# KiCad board ShinyAddOn_panel_2.kicad_pcb (continued)
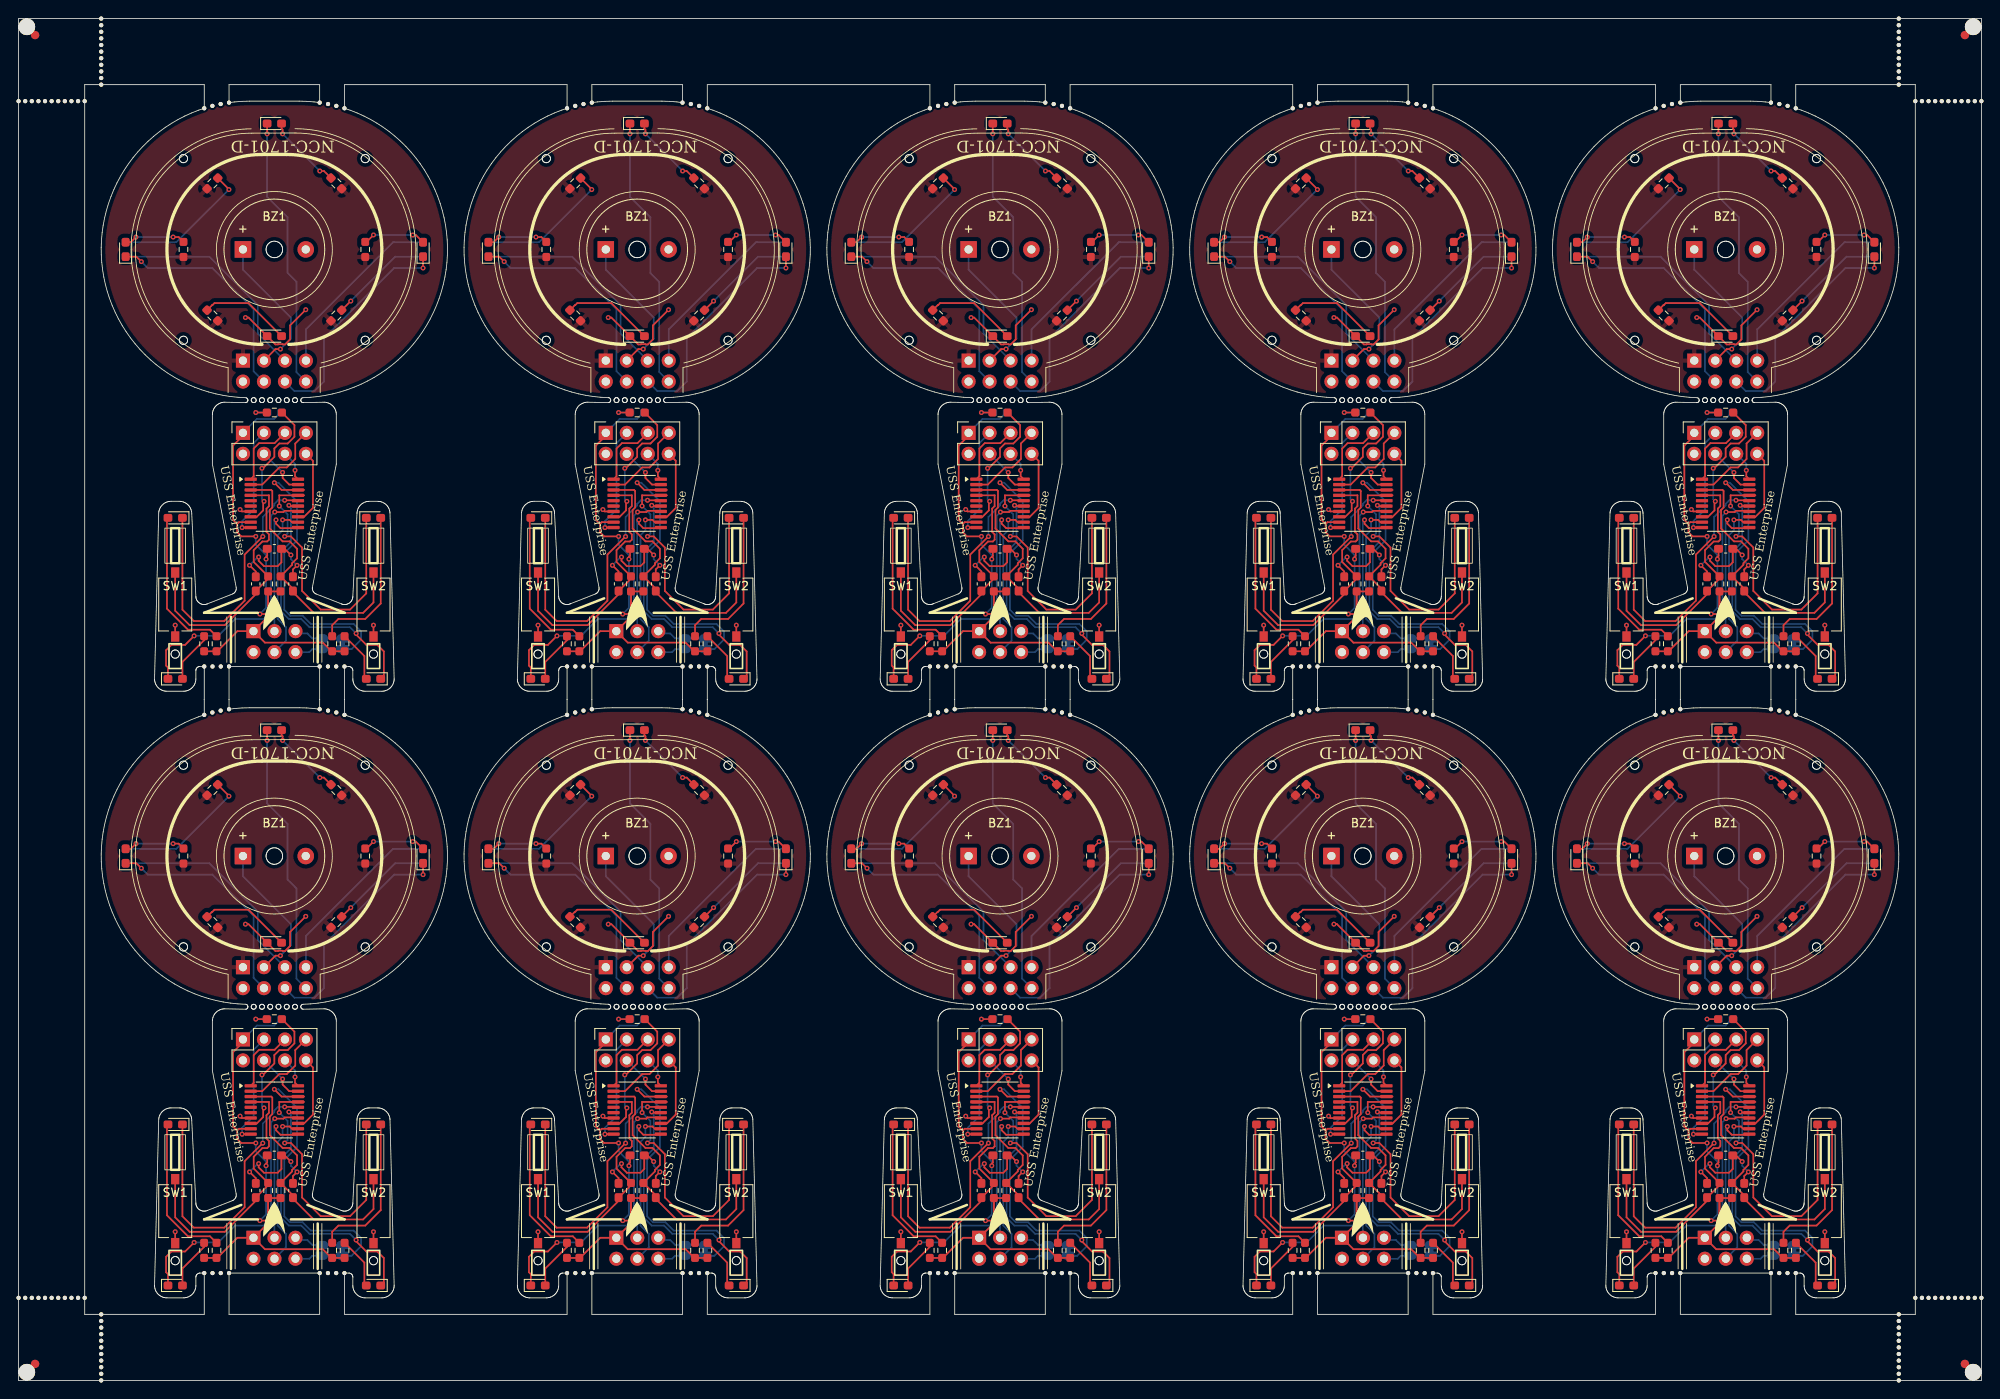
[diagram p0: board, top side]
## Placement (name value [footprint] x y rotation side) (continued)
KiKit_MB_10_4  -  [NPTH]  127.27 154.05 0 top
KiKit_MB_11_1  -  [NPTH]  113.3 86.46 0 top
KiKit_MB_11_2  -  [NPTH]  112.3 86.46 0 top
KiKit_MB_11_3  -  [NPTH]  111.3 86.46 0 top
KiKit_MB_11_4  -  [NPTH]  110.3 86.46 0 top
KiKit_MB_12_1  -  [NPTH]  127.27 86.46 0 top
KiKit_MB_12_2  -  [NPTH]  126.27 86.46 0 top
KiKit_MB_12_3  -  [NPTH]  125.27 86.46 0 top
KiKit_MB_12_4  -  [NPTH]  124.27 86.46 0 top
KiKit_MB_13_1  -  [NPTH]  154.21 154.05 0 top
KiKit_MB_13_2  -  [NPTH]  155.2 154.34 0 top
KiKit_MB_13_3  -  [NPTH]  156.2 154.57 0 top
KiKit_MB_13_4  -  [NPTH]  157.21 154.74 0 top
KiKit_MB_14_1  -  [NPTH]  168.18 154.74 0 top
KiKit_MB_14_2  -  [NPTH]  169.19 154.57 0 top
KiKit_MB_14_3  -  [NPTH]  170.2 154.34 0 top
KiKit_MB_14_4  -  [NPTH]  171.18 154.05 0 top
KiKit_MB_15_1  -  [NPTH]  157.21 86.46 0 top
KiKit_MB_15_2  -  [NPTH]  156.21 86.46 0 top
KiKit_MB_15_3  -  [NPTH]  155.21 86.46 0 top
KiKit_MB_15_4  -  [NPTH]  154.21 86.46 0 top
KiKit_MB_16_1  -  [NPTH]  171.18 86.46 0 top
KiKit_MB_16_2  -  [NPTH]  170.18 86.46 0 top
KiKit_MB_16_3  -  [NPTH]  169.18 86.46 0 top
KiKit_MB_16_4  -  [NPTH]  168.18 86.46 0 top
KiKit_MB_17_1  -  [NPTH]  198.13 154.05 0 top
KiKit_MB_17_2  -  [NPTH]  199.11 154.34 0 top
KiKit_MB_17_3  -  [NPTH]  200.11 154.57 0 top
KiKit_MB_17_4  -  [NPTH]  201.13 154.74 0 top
KiKit_MB_18_1  -  [NPTH]  212.1 154.74 0 top
KiKit_MB_18_2  -  [NPTH]  213.11 154.57 0 top
KiKit_MB_18_3  -  [NPTH]  214.11 154.34 0 top
KiKit_MB_18_4  -  [NPTH]  215.1 154.05 0 top
KiKit_MB_19_1  -  [NPTH]  201.13 86.46 0 top
KiKit_MB_19_2  -  [NPTH]  200.13 86.46 0 top
KiKit_MB_19_3  -  [NPTH]  199.13 86.46 0 top
KiKit_MB_19_4  -  [NPTH]  198.13 86.46 0 top
KiKit_MB_20_1  -  [NPTH]  215.1 86.46 0 top
KiKit_MB_20_2  -  [NPTH]  214.1 86.46 0 top
KiKit_MB_20_3  -  [NPTH]  213.1 86.46 0 top
KiKit_MB_20_4  -  [NPTH]  212.1 86.46 0 top
KiKit_MB_21_1  -  [NPTH]  22.47 80.6 0 top
KiKit_MB_21_2  -  [NPTH]  23.46 80.88 0 top
KiKit_MB_21_3  -  [NPTH]  24.46 81.11 0 top
KiKit_MB_21_4  -  [NPTH]  25.47 81.28 0 top
KiKit_MB_22_1  -  [NPTH]  36.44 81.28 0 top
KiKit_MB_22_2  -  [NPTH]  37.45 81.11 0 top
KiKit_MB_22_3  -  [NPTH]  38.45 80.88 0 top
KiKit_MB_22_4  -  [NPTH]  39.44 80.6 0 top
KiKit_MB_23_1  -  [NPTH]  25.47 13 0 top
KiKit_MB_23_2  -  [NPTH]  24.47 13 0 top
KiKit_MB_23_3  -  [NPTH]  23.47 13 0 top
KiKit_MB_23_4  -  [NPTH]  22.47 13 0 top
KiKit_MB_24_1  -  [NPTH]  39.44 13 0 top
KiKit_MB_24_2  -  [NPTH]  38.44 13 0 top
KiKit_MB_24_3  -  [NPTH]  37.44 13 0 top
KiKit_MB_24_4  -  [NPTH]  36.44 13 0 top
KiKit_MB_25_1  -  [NPTH]  66.38 80.6 0 top
KiKit_MB_25_2  -  [NPTH]  67.37 80.88 0 top
KiKit_MB_25_3  -  [NPTH]  68.37 81.11 0 top
KiKit_MB_25_4  -  [NPTH]  69.38 81.28 0 top
KiKit_MB_26_1  -  [NPTH]  80.35 81.28 0 top
KiKit_MB_26_2  -  [NPTH]  81.37 81.11 0 top
KiKit_MB_26_3  -  [NPTH]  82.37 80.88 0 top
KiKit_MB_26_4  -  [NPTH]  83.35 80.6 0 top
KiKit_MB_27_1  -  [NPTH]  69.38 13 0 top
KiKit_MB_27_2  -  [NPTH]  68.38 13 0 top
KiKit_MB_27_3  -  [NPTH]  67.38 13 0 top
KiKit_MB_27_4  -  [NPTH]  66.38 13 0 top
KiKit_MB_28_1  -  [NPTH]  83.35 13 0 top
KiKit_MB_28_2  -  [NPTH]  82.35 13 0 top
KiKit_MB_28_3  -  [NPTH]  81.35 13 0 top
KiKit_MB_28_4  -  [NPTH]  80.35 13 0 top
KiKit_MB_29_1  -  [NPTH]  110.3 80.6 0 top
KiKit_MB_29_2  -  [NPTH]  111.28 80.88 0 top
KiKit_MB_29_3  -  [NPTH]  112.29 81.11 0 top
KiKit_MB_29_4  -  [NPTH]  113.3 81.28 0 top
KiKit_MB_30_1  -  [NPTH]  124.27 81.28 0 top
KiKit_MB_30_2  -  [NPTH]  125.28 81.11 0 top
KiKit_MB_30_3  -  [NPTH]  126.28 80.88 0 top
KiKit_MB_30_4  -  [NPTH]  127.27 80.6 0 top
KiKit_MB_31_1  -  [NPTH]  113.3 13 0 top
KiKit_MB_31_2  -  [NPTH]  112.3 13 0 top
KiKit_MB_31_3  -  [NPTH]  111.3 13 0 top
KiKit_MB_31_4  -  [NPTH]  110.3 13 0 top
KiKit_MB_32_1  -  [NPTH]  127.27 13 0 top
KiKit_MB_32_2  -  [NPTH]  126.27 13 0 top
KiKit_MB_32_3  -  [NPTH]  125.27 13 0 top
KiKit_MB_32_4  -  [NPTH]  124.27 13 0 top
KiKit_MB_33_1  -  [NPTH]  154.21 80.6 0 top
KiKit_MB_33_2  -  [NPTH]  155.2 80.88 0 top
KiKit_MB_33_3  -  [NPTH]  156.2 81.11 0 top
KiKit_MB_33_4  -  [NPTH]  157.21 81.28 0 top
KiKit_MB_34_1  -  [NPTH]  168.18 81.28 0 top
KiKit_MB_34_2  -  [NPTH]  169.19 81.11 0 top
KiKit_MB_34_3  -  [NPTH]  170.2 80.88 0 top
KiKit_MB_34_4  -  [NPTH]  171.18 80.6 0 top
KiKit_MB_35_1  -  [NPTH]  157.21 13 0 top
KiKit_MB_35_2  -  [NPTH]  156.21 13 0 top
KiKit_MB_35_3  -  [NPTH]  155.21 13 0 top
KiKit_MB_35_4  -  [NPTH]  154.21 13 0 top
KiKit_MB_36_1  -  [NPTH]  171.18 13 0 top
KiKit_MB_36_2  -  [NPTH]  170.18 13 0 top
KiKit_MB_36_3  -  [NPTH]  169.18 13 0 top
KiKit_MB_36_4  -  [NPTH]  168.18 13 0 top
KiKit_MB_37_1  -  [NPTH]  198.13 80.6 0 top
KiKit_MB_37_2  -  [NPTH]  199.11 80.88 0 top
KiKit_MB_37_3  -  [NPTH]  200.11 81.11 0 top
KiKit_MB_37_4  -  [NPTH]  201.13 81.28 0 top
KiKit_MB_38_1  -  [NPTH]  212.1 81.28 0 top
KiKit_MB_38_2  -  [NPTH]  213.11 81.11 0 top
KiKit_MB_38_3  -  [NPTH]  214.11 80.88 0 top
KiKit_MB_38_4  -  [NPTH]  215.1 80.6 0 top
KiKit_MB_39_1  -  [NPTH]  201.13 13 0 top
KiKit_MB_39_2  -  [NPTH]  200.13 13 0 top
KiKit_MB_39_3  -  [NPTH]  199.13 13 0 top
KiKit_MB_39_4  -  [NPTH]  198.13 13 0 top
KiKit_MB_40_1  -  [NPTH]  215.1 13 0 top
KiKit_MB_40_2  -  [NPTH]  214.1 13 0 top
KiKit_MB_40_3  -  [NPTH]  213.1 13 0 top
KiKit_MB_40_4  -  [NPTH]  212.1 13 0 top
KiKit_MB_41_1  -  [NPTH]  10 164.91 0 top
KiKit_MB_41_2  -  [NPTH]  10 164.11 0 top
KiKit_MB_41_3  -  [NPTH]  10 163.31 0 top
KiKit_MB_41_4  -  [NPTH]  10 162.51 0 top
KiKit_MB_41_5  -  [NPTH]  10 161.71 0 top
KiKit_MB_41_6  -  [NPTH]  10 160.91 0 top
KiKit_MB_41_7  -  [NPTH]  10 160.11 0 top
KiKit_MB_41_8  -  [NPTH]  10 159.31 0 top
KiKit_MB_41_9  -  [NPTH]  10 158.51 0 top
KiKit_MB_41_10  -  [NPTH]  10 157.71 0 top
KiKit_MB_41_11  -  [NPTH]  10 156.91 0 top
KiKit_MB_42_1  -  [NPTH]  227.57 164.91 0 top
KiKit_MB_42_2  -  [NPTH]  227.57 164.11 0 top
KiKit_MB_42_3  -  [NPTH]  227.57 163.31 0 top
KiKit_MB_42_4  -  [NPTH]  227.57 162.51 0 top
KiKit_MB_42_5  -  [NPTH]  227.57 161.71 0 top
KiKit_MB_42_6  -  [NPTH]  227.57 160.91 0 top
KiKit_MB_42_7  -  [NPTH]  227.57 160.11 0 top
KiKit_MB_42_8  -  [NPTH]  227.57 159.31 0 top
KiKit_MB_42_9  -  [NPTH]  227.57 158.51 0 top
KiKit_MB_42_10  -  [NPTH]  227.57 157.71 0 top
KiKit_MB_42_11  -  [NPTH]  227.57 156.91 0 top
KiKit_MB_43_1  -  [NPTH]  10 8 0 top
KiKit_MB_43_2  -  [NPTH]  10 7.2 0 top
KiKit_MB_43_3  -  [NPTH]  10 6.4 0 top
KiKit_MB_43_4  -  [NPTH]  10 5.6 0 top
KiKit_MB_43_5  -  [NPTH]  10 4.8 0 top
KiKit_MB_43_6  -  [NPTH]  10 4 0 top
KiKit_MB_43_7  -  [NPTH]  10 3.2 0 top
KiKit_MB_43_8  -  [NPTH]  10 2.4 0 top
KiKit_MB_43_9  -  [NPTH]  10 1.6 0 top
KiKit_MB_43_10  -  [NPTH]  10 0.8 0 top
KiKit_MB_43_11  -  [NPTH]  10 0 0 top
KiKit_MB_44_1  -  [NPTH]  227.57 8 0 top
KiKit_MB_44_2  -  [NPTH]  227.57 7.2 0 top
KiKit_MB_44_3  -  [NPTH]  227.57 6.4 0 top
KiKit_MB_44_4  -  [NPTH]  227.57 5.6 0 top
KiKit_MB_44_5  -  [NPTH]  227.57 4.8 0 top
KiKit_MB_44_6  -  [NPTH]  227.57 4 0 top
KiKit_MB_44_7  -  [NPTH]  227.57 3.2 0 top
KiKit_MB_44_8  -  [NPTH]  227.57 2.4 0 top
KiKit_MB_44_9  -  [NPTH]  227.57 1.6 0 top
KiKit_MB_44_10  -  [NPTH]  227.57 0.8 0 top
KiKit_MB_44_11  -  [NPTH]  227.57 0 0 top
KiKit_MB_45_1  -  [NPTH]  0 154.91 0 top
KiKit_MB_45_2  -  [NPTH]  0.8 154.91 0 top
KiKit_MB_45_3  -  [NPTH]  1.6 154.91 0 top
KiKit_MB_45_4  -  [NPTH]  2.4 154.91 0 top
KiKit_MB_45_5  -  [NPTH]  3.2 154.91 0 top
KiKit_MB_45_6  -  [NPTH]  4 154.91 0 top
KiKit_MB_45_7  -  [NPTH]  4.8 154.91 0 top
KiKit_MB_45_8  -  [NPTH]  5.6 154.91 0 top
KiKit_MB_45_9  -  [NPTH]  6.4 154.91 0 top
KiKit_MB_45_10  -  [NPTH]  7.2 154.91 0 top
KiKit_MB_45_11  -  [NPTH]  8 154.91 0 top
KiKit_MB_46_1  -  [NPTH]  0 10 0 top
KiKit_MB_46_2  -  [NPTH]  0.8 10 0 top
KiKit_MB_46_3  -  [NPTH]  1.6 10 0 top
KiKit_MB_46_4  -  [NPTH]  2.4 10 0 top
KiKit_MB_46_5  -  [NPTH]  3.2 10 0 top
KiKit_MB_46_6  -  [NPTH]  4 10 0 top
KiKit_MB_46_7  -  [NPTH]  4.8 10 0 top
KiKit_MB_46_8  -  [NPTH]  5.6 10 0 top
KiKit_MB_46_9  -  [NPTH]  6.4 10 0 top
KiKit_MB_46_10  -  [NPTH]  7.2 10 0 top
KiKit_MB_46_11  -  [NPTH]  8 10 0 top
KiKit_MB_47_1  -  [NPTH]  229.57 154.91 0 top
KiKit_MB_47_2  -  [NPTH]  230.37 154.91 0 top
KiKit_MB_47_3  -  [NPTH]  231.17 154.91 0 top
KiKit_MB_47_4  -  [NPTH]  231.97 154.91 0 top
KiKit_MB_47_5  -  [NPTH]  232.77 154.91 0 top
KiKit_MB_47_6  -  [NPTH]  233.57 154.91 0 top
KiKit_MB_47_7  -  [NPTH]  234.37 154.91 0 top
KiKit_MB_47_8  -  [NPTH]  235.17 154.91 0 top
KiKit_MB_47_9  -  [NPTH]  235.97 154.91 0 top
KiKit_MB_47_10  -  [NPTH]  236.77 154.91 0 top
KiKit_MB_47_11  -  [NPTH]  237.57 154.91 0 top
KiKit_MB_48_1  -  [NPTH]  229.57 10 0 top
KiKit_MB_48_2  -  [NPTH]  230.37 10 0 top
KiKit_MB_48_3  -  [NPTH]  231.17 10 0 top
KiKit_MB_48_4  -  [NPTH]  231.97 10 0 top
KiKit_MB_48_5  -  [NPTH]  232.77 10 0 top
KiKit_MB_48_6  -  [NPTH]  233.57 10 0 top
KiKit_MB_48_7  -  [NPTH]  234.37 10 0 top
KiKit_MB_48_8  -  [NPTH]  235.17 10 0 top
KiKit_MB_48_9  -  [NPTH]  235.97 10 0 top
KiKit_MB_48_10  -  [NPTH]  236.77 10 0 top
KiKit_MB_48_11  -  [NPTH]  237.57 10 0 top
KiKit_TO_1  -  [NPTH#2]  1 163.91 0 top
KiKit_TO_2  -  [NPTH#2]  236.57 163.91 0 top
KiKit_TO_3  -  [NPTH#2]  1 1 0 top
KiKit_TO_4  -  [NPTH#2]  236.57 1 0 top
R1  330  [R_0603_1608Metric_Pad0.98x0.95mm_HandSolder]  111.28 128.96 135 top
R1#2  330  [R_0603_1608Metric_Pad0.98x0.95mm_HandSolder]  67.37 55.5 135 top
R1#3  330  [R_0603_1608Metric_Pad0.98x0.95mm_HandSolder]  111.28 55.5 135 top
R1#4  330  [R_0603_1608Metric_Pad0.98x0.95mm_HandSolder]  199.11 128.96 135 top
R1#5  330  [R_0603_1608Metric_Pad0.98x0.95mm_HandSolder]  23.46 128.96 135 top
R1#6  330  [R_0603_1608Metric_Pad0.98x0.95mm_HandSolder]  155.2 128.96 135 top
R1#7  330  [R_0603_1608Metric_Pad0.98x0.95mm_HandSolder]  67.37 128.96 135 top
R1#8  330  [R_0603_1608Metric_Pad0.98x0.95mm_HandSolder]  23.46 55.5 135 top
R1#9  330  [R_0603_1608Metric_Pad0.98x0.95mm_HandSolder]  155.2 55.5 135 top
R1#10  330  [R_0603_1608Metric_Pad0.98x0.95mm_HandSolder]  199.11 55.5 135 top
R2  330  [R_0603_1608Metric_Pad0.98x0.95mm_HandSolder]  74.87 43.75 0 top
R2#2  330  [R_0603_1608Metric_Pad0.98x0.95mm_HandSolder]  206.61 43.75 0 top
R2#3  330  [R_0603_1608Metric_Pad0.98x0.95mm_HandSolder]  30.96 43.75 0 top
R2#4  330  [R_0603_1608Metric_Pad0.98x0.95mm_HandSolder]  206.61 117.21 0 top
R2#5  330  [R_0603_1608Metric_Pad0.98x0.95mm_HandSolder]  118.78 43.75 0 top
R2#6  330  [R_0603_1608Metric_Pad0.98x0.95mm_HandSolder]  162.7 43.75 0 top
R2#7  330  [R_0603_1608Metric_Pad0.98x0.95mm_HandSolder]  118.78 117.21 0 top
R2#8  330  [R_0603_1608Metric_Pad0.98x0.95mm_HandSolder]  74.87 117.21 0 top
R2#9  330  [R_0603_1608Metric_Pad0.98x0.95mm_HandSolder]  30.96 117.21 0 top
R2#10  330  [R_0603_1608Metric_Pad0.98x0.95mm_HandSolder]  162.7 117.21 0 top
R3  330  [R_0603_1608Metric_Pad0.98x0.95mm_HandSolder]  39.46 15.75 90 top
R3#2  330  [R_0603_1608Metric_Pad0.98x0.95mm_HandSolder]  83.37 89.21 90 top
R3#3  330  [R_0603_1608Metric_Pad0.98x0.95mm_HandSolder]  127.28 15.75 90 top
R3#4  330  [R_0603_1608Metric_Pad0.98x0.95mm_HandSolder]  83.37 15.75 90 top
R3#5  330  [R_0603_1608Metric_Pad0.98x0.95mm_HandSolder]  127.28 89.21 90 top
R3#6  330  [R_0603_1608Metric_Pad0.98x0.95mm_HandSolder]  39.46 89.21 90 top
R3#7  330  [R_0603_1608Metric_Pad0.98x0.95mm_HandSolder]  215.11 89.21 90 top
R3#8  330  [R_0603_1608Metric_Pad0.98x0.95mm_HandSolder]  171.2 89.21 90 top
R3#9  330  [R_0603_1608Metric_Pad0.98x0.95mm_HandSolder]  171.2 15.75 90 top
R3#10  330  [R_0603_1608Metric_Pad0.98x0.95mm_HandSolder]  215.11 15.75 90 top
R4  330  [R_0603_1608Metric_Pad0.98x0.95mm_HandSolder]  198.11 15.75 90 top
R4#2  330  [R_0603_1608Metric_Pad0.98x0.95mm_HandSolder]  66.37 89.21 90 top
R4#3  330  [R_0603_1608Metric_Pad0.98x0.95mm_HandSolder]  110.28 15.75 90 top
R4#4  330  [R_0603_1608Metric_Pad0.98x0.95mm_HandSolder]  198.11 89.21 90 top
R4#5  330  [R_0603_1608Metric_Pad0.98x0.95mm_HandSolder]  22.46 15.75 90 top
R4#6  330  [R_0603_1608Metric_Pad0.98x0.95mm_HandSolder]  110.28 89.21 90 top
R4#7  330  [R_0603_1608Metric_Pad0.98x0.95mm_HandSolder]  154.2 15.75 90 top
R4#8  330  [R_0603_1608Metric_Pad0.98x0.95mm_HandSolder]  154.2 89.21 90 top
R4#9  330  [R_0603_1608Metric_Pad0.98x0.95mm_HandSolder]  22.46 89.21 90 top
R4#10  330  [R_0603_1608Metric_Pad0.98x0.95mm_HandSolder]  66.37 15.75 90 top
R5  330  [R_0603_1608Metric_Pad0.98x0.95mm_HandSolder]  82.37 71.5 135 top
R5#2  330  [R_0603_1608Metric_Pad0.98x0.95mm_HandSolder]  170.2 144.96 135 top
R5#3  330  [R_0603_1608Metric_Pad0.98x0.95mm_HandSolder]  38.46 71.5 135 top
R5#4  330  [R_0603_1608Metric_Pad0.98x0.95mm_HandSolder]  214.11 144.96 135 top
R5#5  330  [R_0603_1608Metric_Pad0.98x0.95mm_HandSolder]  214.11 71.5 135 top
R5#6  330  [R_0603_1608Metric_Pad0.98x0.95mm_HandSolder]  126.28 144.96 135 top
R5#7  330  [R_0603_1608Metric_Pad0.98x0.95mm_HandSolder]  38.46 144.96 135 top
R5#8  330  [R_0603_1608Metric_Pad0.98x0.95mm_HandSolder]  170.2 71.5 135 top
R5#9  330  [R_0603_1608Metric_Pad0.98x0.95mm_HandSolder]  126.28 71.5 135 top
R5#10  330  [R_0603_1608Metric_Pad0.98x0.95mm_HandSolder]  82.37 144.96 135 top
R6  330  [R_0603_1608Metric_Pad0.98x0.95mm_HandSolder]  67.87 15.75 90 top
R6#2  330  [R_0603_1608Metric_Pad0.98x0.95mm_HandSolder]  155.7 15.75 90 top
R6#3  330  [R_0603_1608Metric_Pad0.98x0.95mm_HandSolder]  199.61 15.75 90 top
R6#4  330  [R_0603_1608Metric_Pad0.98x0.95mm_HandSolder]  155.7 89.21 90 top
R6#5  330  [R_0603_1608Metric_Pad0.98x0.95mm_HandSolder]  67.87 89.21 90 top
R6#6  330  [R_0603_1608Metric_Pad0.98x0.95mm_HandSolder]  23.96 15.75 90 top
R6#7  330  [R_0603_1608Metric_Pad0.98x0.95mm_HandSolder]  111.78 15.75 90 top
R6#8  330  [R_0603_1608Metric_Pad0.98x0.95mm_HandSolder]  199.61 89.21 90 top
R6#9  330  [R_0603_1608Metric_Pad0.98x0.95mm_HandSolder]  111.78 89.21 90 top
R6#10  330  [R_0603_1608Metric_Pad0.98x0.95mm_HandSolder]  23.96 89.21 90 top
R7  330  [R_0603_1608Metric_Pad0.98x0.95mm_HandSolder]  37.96 89.21 90 top
R7#2  330  [R_0603_1608Metric_Pad0.98x0.95mm_HandSolder]  125.78 15.75 90 top
R7#3  330  [R_0603_1608Metric_Pad0.98x0.95mm_HandSolder]  169.7 89.21 90 top
R7#4  330  [R_0603_1608Metric_Pad0.98x0.95mm_HandSolder]  169.7 15.75 90 top
R7#5  330  [R_0603_1608Metric_Pad0.98x0.95mm_HandSolder]  213.61 15.75 90 top
R7#6  330  [R_0603_1608Metric_Pad0.98x0.95mm_HandSolder]  81.87 15.75 90 top
R7#7  330  [R_0603_1608Metric_Pad0.98x0.95mm_HandSolder]  81.87 89.21 90 top
R7#8  330  [R_0603_1608Metric_Pad0.98x0.95mm_HandSolder]  125.78 89.21 90 top
R7#9  330  [R_0603_1608Metric_Pad0.98x0.95mm_HandSolder]  37.96 15.75 90 top
R7#10  330  [R_0603_1608Metric_Pad0.98x0.95mm_HandSolder]  213.61 89.21 90 top
R8  10k  [R_0603_1608Metric_Pad0.98x0.95mm_HandSolder]  75.62 23 90 top
R8#2  10k  [R_0603_1608Metric_Pad0.98x0.95mm_HandSolder]  31.71 23 90 top
R8#3  10k  [R_0603_1608Metric_Pad0.98x0.95mm_HandSolder]  75.62 96.46 90 top
R8#4  10k  [R_0603_1608Metric_Pad0.98x0.95mm_HandSolder]  207.36 96.46 90 top
R8#5  10k  [R_0603_1608Metric_Pad0.98x0.95mm_HandSolder]  119.53 23 90 top
R8#6  10k  [R_0603_1608Metric_Pad0.98x0.95mm_HandSolder]  31.71 96.46 90 top
R8#7  10k  [R_0603_1608Metric_Pad0.98x0.95mm_HandSolder]  207.36 23 90 top
R8#8  10k  [R_0603_1608Metric_Pad0.98x0.95mm_HandSolder]  119.53 96.46 90 top
R8#9  10k  [R_0603_1608Metric_Pad0.98x0.95mm_HandSolder]  163.45 96.46 90 top
R8#10  10k  [R_0603_1608Metric_Pad0.98x0.95mm_HandSolder]  163.45 23 90 top
R9  10k  [R_0603_1608Metric_Pad0.98x0.95mm_HandSolder]  118.03 96.46 90 top
R9#2  10k  [R_0603_1608Metric_Pad0.98x0.95mm_HandSolder]  74.12 23 90 top
R9#3  10k  [R_0603_1608Metric_Pad0.98x0.95mm_HandSolder]  161.95 23 90 top
R9#4  10k  [R_0603_1608Metric_Pad0.98x0.95mm_HandSolder]  118.03 23 90 top
R9#5  10k  [R_0603_1608Metric_Pad0.98x0.95mm_HandSolder]  161.95 96.46 90 top
R9#6  10k  [R_0603_1608Metric_Pad0.98x0.95mm_HandSolder]  30.21 23 90 top
R9#7  10k  [R_0603_1608Metric_Pad0.98x0.95mm_HandSolder]  205.86 96.46 90 top
R9#8  10k  [R_0603_1608Metric_Pad0.98x0.95mm_HandSolder]  74.12 96.46 90 top
R9#9  10k  [R_0603_1608Metric_Pad0.98x0.95mm_HandSolder]  205.86 23 90 top
R9#10  10k  [R_0603_1608Metric_Pad0.98x0.95mm_HandSolder]  30.21 96.46 90 top
R10  330  [R_0603_1608Metric_Pad0.98x0.95mm_HandSolder]  151.7 63.5 90 top
R10#2  330  [R_0603_1608Metric_Pad0.98x0.95mm_HandSolder]  195.61 63.5 90 top
R10#3  330  [R_0603_1608Metric_Pad0.98x0.95mm_HandSolder]  19.96 136.96 90 top
R10#4  330  [R_0603_1608Metric_Pad0.98x0.95mm_HandSolder]  107.78 63.5 90 top
R10#5  330  [R_0603_1608Metric_Pad0.98x0.95mm_HandSolder]  63.87 136.96 90 top
R10#6  330  [R_0603_1608Metric_Pad0.98x0.95mm_HandSolder]  195.61 136.96 90 top
R10#7  330  [R_0603_1608Metric_Pad0.98x0.95mm_HandSolder]  107.78 136.96 90 top
R10#8  330  [R_0603_1608Metric_Pad0.98x0.95mm_HandSolder]  151.7 136.96 90 top
R10#9  330  [R_0603_1608Metric_Pad0.98x0.95mm_HandSolder]  19.96 63.5 90 top
R10#10  330  [R_0603_1608Metric_Pad0.98x0.95mm_HandSolder]  63.87 63.5 90 top
R11  330  [R_0603_1608Metric_Pad0.98x0.95mm_HandSolder]  85.87 63.5 90 top
R11#2  330  [R_0603_1608Metric_Pad0.98x0.95mm_HandSolder]  217.61 136.96 90 top
R11#3  330  [R_0603_1608Metric_Pad0.98x0.95mm_HandSolder]  217.61 63.5 90 top
R11#4  330  [R_0603_1608Metric_Pad0.98x0.95mm_HandSolder]  41.96 63.5 90 top
R11#5  330  [R_0603_1608Metric_Pad0.98x0.95mm_HandSolder]  173.7 63.5 90 top
R11#6  330  [R_0603_1608Metric_Pad0.98x0.95mm_HandSolder]  85.87 136.96 90 top
R11#7  330  [R_0603_1608Metric_Pad0.98x0.95mm_HandSolder]  173.7 136.96 90 top
R11#8  330  [R_0603_1608Metric_Pad0.98x0.95mm_HandSolder]  129.78 63.5 90 top
R11#9  330  [R_0603_1608Metric_Pad0.98x0.95mm_HandSolder]  41.96 136.96 90 top
R11#10  330  [R_0603_1608Metric_Pad0.98x0.95mm_HandSolder]  129.78 136.96 90 top
R12  330  [R_0603_1608Metric_Pad0.98x0.95mm_HandSolder]  111.28 144.96 45 top
R12#2  330  [R_0603_1608Metric_Pad0.98x0.95mm_HandSolder]  23.46 71.5 45 top
R12#3  330  [R_0603_1608Metric_Pad0.98x0.95mm_HandSolder]  199.11 144.96 45 top
R12#4  330  [R_0603_1608Metric_Pad0.98x0.95mm_HandSolder]  67.37 71.5 45 top
R12#5  330  [R_0603_1608Metric_Pad0.98x0.95mm_HandSolder]  67.37 144.96 45 top
R12#6  330  [R_0603_1608Metric_Pad0.98x0.95mm_HandSolder]  199.11 71.5 45 top
R12#7  330  [R_0603_1608Metric_Pad0.98x0.95mm_HandSolder]  111.28 71.5 45 top
R12#8  330  [R_0603_1608Metric_Pad0.98x0.95mm_HandSolder]  155.2 144.96 45 top
R12#9  330  [R_0603_1608Metric_Pad0.98x0.95mm_HandSolder]  23.46 144.96 45 top
R12#10  330  [R_0603_1608Metric_Pad0.98x0.95mm_HandSolder]  155.2 71.5 45 top
R13  330  [R_0603_1608Metric_Pad0.98x0.95mm_HandSolder]  170.2 55.5 45 top
R13#2  330  [R_0603_1608Metric_Pad0.98x0.95mm_HandSolder]  126.28 128.96 45 top
R13#3  330  [R_0603_1608Metric_Pad0.98x0.95mm_HandSolder]  82.37 55.5 45 top
R13#4  330  [R_0603_1608Metric_Pad0.98x0.95mm_HandSolder]  38.46 128.96 45 top
R13#5  330  [R_0603_1608Metric_Pad0.98x0.95mm_HandSolder]  214.11 55.5 45 top
R13#6  330  [R_0603_1608Metric_Pad0.98x0.95mm_HandSolder]  214.11 128.96 45 top
R13#7  330  [R_0603_1608Metric_Pad0.98x0.95mm_HandSolder]  170.2 128.96 45 top
R13#8  330  [R_0603_1608Metric_Pad0.98x0.95mm_HandSolder]  38.46 55.5 45 top
R13#9  330  [R_0603_1608Metric_Pad0.98x0.95mm_HandSolder]  126.28 55.5 45 top
R13#10  330  [R_0603_1608Metric_Pad0.98x0.95mm_HandSolder]  82.37 128.96 45 top
SW1  SW_Push  [SW_Tactile_SPST_NO_Straight_CK_PTS636Sx25SMTRLFS]  62.87 20.5 270 top
SW1#2  SW_Push  [SW_Tactile_SPST_NO_Straight_CK_PTS636Sx25SMTRLFS]  150.7 93.96 270 top
SW1#3  SW_Push  [SW_Tactile_SPST_NO_Straight_CK_PTS636Sx25SMTRLFS]  194.61 20.5 270 top
SW1#4  SW_Push  [SW_Tactile_SPST_NO_Straight_CK_PTS636Sx25SMTRLFS]  194.61 93.96 270 top
SW1#5  SW_Push  [SW_Tactile_SPST_NO_Straight_CK_PTS636Sx25SMTRLFS]  18.96 93.96 270 top
SW1#6  SW_Push  [SW_Tactile_SPST_NO_Straight_CK_PTS636Sx25SMTRLFS]  106.78 20.5 270 top
SW1#7  SW_Push  [SW_Tactile_SPST_NO_Straight_CK_PTS636Sx25SMTRLFS]  150.7 20.5 270 top
SW1#8  SW_Push  [SW_Tactile_SPST_NO_Straight_CK_PTS636Sx25SMTRLFS]  106.78 93.96 270 top
SW1#9  SW_Push  [SW_Tactile_SPST_NO_Straight_CK_PTS636Sx25SMTRLFS]  62.87 93.96 270 top
SW1#10  SW_Push  [SW_Tactile_SPST_NO_Straight_CK_PTS636Sx25SMTRLFS]  18.96 20.5 270 top
SW2  SW_Push  [SW_Tactile_SPST_NO_Straight_CK_PTS636Sx25SMTRLFS]  174.7 93.96 270 top
SW2#2  SW_Push  [SW_Tactile_SPST_NO_Straight_CK_PTS636Sx25SMTRLFS]  218.61 20.5 270 top
SW2#3  SW_Push  [SW_Tactile_SPST_NO_Straight_CK_PTS636Sx25SMTRLFS]  130.78 93.96 270 top
SW2#4  SW_Push  [SW_Tactile_SPST_NO_Straight_CK_PTS636Sx25SMTRLFS]  42.96 20.5 270 top
SW2#5  SW_Push  [SW_Tactile_SPST_NO_Straight_CK_PTS636Sx25SMTRLFS]  218.61 93.96 270 top
SW2#6  SW_Push  [SW_Tactile_SPST_NO_Straight_CK_PTS636Sx25SMTRLFS]  130.78 20.5 270 top
SW2#7  SW_Push  [SW_Tactile_SPST_NO_Straight_CK_PTS636Sx25SMTRLFS]  174.7 20.5 270 top
SW2#8  SW_Push  [SW_Tactile_SPST_NO_Straight_CK_PTS636Sx25SMTRLFS]  86.87 93.96 270 top
SW2#9  SW_Push  [SW_Tactile_SPST_NO_Straight_CK_PTS636Sx25SMTRLFS]  86.87 20.5 270 top
SW2#10  SW_Push  [SW_Tactile_SPST_NO_Straight_CK_PTS636Sx25SMTRLFS]  42.96 93.96 270 top
U1  CH32V003FxPx  [TSSOP-20_4.4x6.5mm_P0.65mm]  206.61 106.21 0 top
U1#2  CH32V003FxPx  [TSSOP-20_4.4x6.5mm_P0.65mm]  30.96 106.21 0 top
U1#3  CH32V003FxPx  [TSSOP-20_4.4x6.5mm_P0.65mm]  162.7 106.21 0 top
U1#4  CH32V003FxPx  [TSSOP-20_4.4x6.5mm_P0.65mm]  206.61 32.75 0 top
U1#5  CH32V003FxPx  [TSSOP-20_4.4x6.5mm_P0.65mm]  74.87 106.21 0 top
U1#6  CH32V003FxPx  [TSSOP-20_4.4x6.5mm_P0.65mm]  118.78 106.21 0 top
U1#7  CH32V003FxPx  [TSSOP-20_4.4x6.5mm_P0.65mm]  74.87 32.75 0 top
U1#8  CH32V003FxPx  [TSSOP-20_4.4x6.5mm_P0.65mm]  118.78 32.75 0 top
U1#9  CH32V003FxPx  [TSSOP-20_4.4x6.5mm_P0.65mm]  30.96 32.75 0 top
U1#10  CH32V003FxPx  [TSSOP-20_4.4x6.5mm_P0.65mm]  162.7 32.75 0 top

## Library data of the parts
BZ1 BZ1#2-BZ1#10 = -: Description: Buzzer, polarized
C1 C1#2-C1#10 C2 C2#2-C2#10 C3 C3#2-C3#10 = -: Description: Unpolarized capacitor
D1 D1#2-D1#10 D2 D2#2-D2#10 D3 D3#2-D3#10 D4 D4#2-D4#10 D5 D5#2-D5#10 D6 D6#2-D6#10 D7 D7#2-D7#10 D8 D8#2-D8#10 D9 D9#2-D9#10 D10 D10#2-D10#10 D11 D11#2-D11#10 = -: Description: Light emitting diode
J1 J1#2-J1#10 J4 J4#2-J4#10 = -: Description: Generic connector, double row, 02x04, odd/even pin numbering scheme (row 1 odd numbers, row 2 even numbers), script generated (kicad-library-utils/schlib/autogen/connector/)
J3 J3#2-J3#10 = -: Description: Generic connector, single row, 01x02, script generated
J5 J5#2-J5#10 = -: Description: Generic connector, double row, 02x03, odd/even pin numbering scheme (row 1 odd numbers, row 2 even numbers), script generated (kicad-library-utils/schlib/autogen/connector/)
JP1 JP1#2-JP1#10 = -: Description: Jumper, 2-pole, closed/bridged
R1 R1#2-R1#10 R2 R2#2-R2#10 R3 R3#2-R3#10 R4 R4#2-R4#10 R5 R5#2-R5#10 R6 R6#2-R6#10 R7 R7#2-R7#10 R8 R8#2-R8#10 R9 R9#2-R9#10 R10 R10#2-R10#10 R11 R11#2-R11#10 R12 R12#2-R12#10 R13 R13#2-R13#10 = -: Description: Resistor
SW1 SW1#2-SW1#10 SW2 SW2#2-SW2#10 = -: Description: Push button switch, generic, two pins
U1 U1#2-U1#10 = -: Datasheet: https://www.wch-ic.com/products/CH32V003.html; Description: CH32V003 series are industrial-grade general-purpose microcontrollers designed based on 32-bit RISC-V instruction set and architecture. It adopts QingKe V2A core, RV32EC instruction set, and supports 2 levels of interrupt nesting. The series are mounted with rich peripheral interfaces and function modules. Its internal organizational structure meets the low-cost and low-power embedded application scenarios.

## Footprints (pads in the part's own frame, mm; a bottom-side part is the same pattern mirrored in y, then rotated)
Buzzer_12x9.5RM7.6
  rect 2x2 hole 1: 1(0,0)
  round 2 hole 1: 2(7.6,0)
C_0603_1608Metric_Pad1.08x0.95mm_HandSolder
  rrect 1.075x0.95 smd: 1(-0.863,0) 2(0.863,0)
Fiducial
  round 1 smd: (0,0)
LED_0603_1608Metric_Pad1.05x0.95mm_HandSolder
  rrect 1.05x0.95 smd: 1(-0.875,0) 2(0.875,0)
NPTH
  round 0.5 hole 0.5 unplated: (0,0)
NPTH#2
  round 2 hole 2 unplated: (0,0)
PinHeader_2x03_P2.54mm_Vertical
  rect 1.7x1.7 hole 1: 1(0,0)
  oval 1.7x1.7 hole 1: 2(2.54,0) 3(0,-2.54) 4(2.54,-2.54) 5(0,-5.08) 6(2.54,-5.08)
PinHeader_2x04_P2.54mm_Vertical
  rect 1.7x1.7 hole 1: 1(0,0)
  oval 1.7x1.7 hole 1: 2(2.54,0) 3(0,-2.54) 4(2.54,-2.54) 5(0,-5.08) 6(2.54,-5.08) 7(0,-7.62) 8(2.54,-7.62)
PinSocket_2x04_P2.54mm_Vertical
  rect 1.7x1.7 hole 1: 1(0,0)
  oval 1.7x1.7 hole 1: 2(-2.54,0) 3(0,-2.54) 4(-2.54,-2.54) 5(0,-5.08) 6(-2.54,-5.08) 7(0,-7.62) 8(-2.54,-7.62)
R_0603_1608Metric_Pad0.98x0.95mm_HandSolder
  rrect 0.975x0.95 smd: 1(-0.912,0) 2(0.912,0)
SolderJumper-2_P1.3mm_Bridged_RoundedPad1.0x1.5mm
  custom 1x1.5 smd: 1(-0.65,0) 2(0.65,0)
SolderJumper-2_P1.3mm_Open_RoundedPad1.0x1.5mm
  custom 1x1.5 smd: 1(-0.65,0) 2(0.65,0)
SW_Tactile_SPST_NO_Straight_CK_PTS636Sx25SMTRLFS
  rect 1.25x1 smd: 1(-3.875,0) 2(3.875,0)
TSSOP-20_4.4x6.5mm_P0.65mm
  rrect 1.475x0.4 smd: 1(-2.862,2.925) 2(-2.862,2.275) 3(-2.862,1.625) 4(-2.862,0.975) 5(-2.862,0.325) 6(-2.862,-0.325) 7(-2.862,-0.975) 8(-2.862,-1.625) 9(-2.862,-2.275) 10(-2.862,-2.925) 11(2.862,-2.925) 12(2.862,-2.275) 13(2.862,-1.625) 14(2.862,-0.975) 15(2.862,-0.325) 16(2.862,0.325) 17(2.862,0.975) 18(2.862,1.625) 19(2.862,2.275) 20(2.862,2.925)

## Nets
Board_0-/blue gondeln left: D4#6.1 U1#2.14
Board_0-/blue gondeln right: D3.1 U1#2.15
Board_0-/blue_front: D5#2.1 J1#7.8 J4#8.8 U1#2.13
Board_0-/buzzer: BZ1#3.1 J1#7.3 J4#8.3 U1#2.10
Board_0-/GPIO1: J3#4.2 J5#5.5 JP1#8.1
Board_0-/GPIO2: J3#4.1 J5#5.6
Board_0-/LED dish bottom l: D10#7.1 J1#7.5 J4#8.5 U1#2.1
Board_0-/LED dish bottom r: D11.1 J1#7.7 J4#8.7 U1#2.2
Board_0-/LED dish top left: D8#2.1 J1#7.4 J4#8.4 U1#2.19
Board_0-/LED dish top right: D9#10.1 J1#7.6 J4#8.6 U1#2.20
Board_0-/red_gondeln_left: D6#4.1 U1#2.16
Board_0-/red_gondeln_right: D7#3.1 U1#2.17
Board_0-/SCL: J5#5.4 U1#2.12
Board_0-/SDA: J5#5.3 U1#2.11
Board_0-/sw1: C1#10.1 R9#10.2 SW1#5.1 U1#2.4
Board_0-/sw2: C2#3.1 R8#6.2 SW2#10.1 U1#2.3
Board_0-GND: BZ1#3.2 C1#10.2 C2#3.2 C3.2 D1.1 J1#7.2 J4#8.2 J5#5.2 SW1#5.2 SW2#10.2 U1#2.7
Board_0-Net-(D1-A): D1.2 R1#5.2
Board_0-Net-(D2-K): D2#4.1 R2#9.1
Board_0-Net-(D3-A): D3.2 R3#6.2
Board_0-Net-(D4-A): D4#6.2 R4#9.2
Board_0-Net-(D5-A): D5#2.2 R5#7.2
Board_0-Net-(D6-A): D6#4.2 R6#10.2
Board_0-Net-(D7-A): D7#3.2 R7.2
Board_0-Net-(D8-A): D8#2.2 R10#3.2
Board_0-Net-(D9-A): D9#10.2 R11#9.2
Board_0-Net-(D10-A): D10#7.2 R12#9.2
Board_0-Net-(D11-A): D11.2 R13#4.2
Board_0-Net-(JP1-B): JP1#8.2 U1#2.18
Board_0-Net-(U1-PD0): R2#9.2 U1#2.8
Board_0-unconnected-(U1-PA1-Pad5): U1#2.5
Board_0-unconnected-(U1-PA2-Pad6): U1#2.6
Board_0-VCC: C3.1 D2#4.2 J1#7.1 J4#8.1 J5#5.1 R1#5.1 R3#6.1 R4#9.1 R5#7.1 R6#10.1 R7.1 R8#6.1 R9#10.1 R10#3.1 R11#9.1 R12#9.1 R13#4.1 U1#2.9
Board_1-/blue gondeln left: D4#5.1 U1#5.14
Board_1-/blue gondeln right: D3#3.1 U1#5.15
Board_1-/blue_front: D5#8.1 J1#6.8 J4#6.8 U1#5.13
Board_1-/buzzer: BZ1#2.1 J1#6.3 J4#6.3 U1#5.10
Board_1-/GPIO1: J3#5.2 J5#9.5 JP1#2.1
Board_1-/GPIO2: J3#5.1 J5#9.6
Board_1-/LED dish bottom l: D10#3.1 J1#6.5 J4#6.5 U1#5.1
Board_1-/LED dish bottom r: D11#5.1 J1#6.7 J4#6.7 U1#5.2
Board_1-/LED dish top left: D8#10.1 J1#6.4 J4#6.4 U1#5.19
Board_1-/LED dish top right: D9#7.1 J1#6.6 J4#6.6 U1#5.20
Board_1-/red_gondeln_left: D6#10.1 U1#5.16
Board_1-/red_gondeln_right: D7.1 U1#5.17
Board_1-/SCL: J5#9.4 U1#5.12
Board_1-/SDA: J5#9.3 U1#5.11
Board_1-/sw1: C1#2.1 R9#8.2 SW1#9.1 U1#5.4
Board_1-/sw2: C2#9.1 R8#3.2 SW2#8.1 U1#5.3
Board_1-GND: BZ1#2.2 C1#2.2 C2#9.2 C3#9.2 D1#5.1 J1#6.2 J4#6.2 J5#9.2 SW1#9.2 SW2#8.2 U1#5.7
Board_1-Net-(D1-A): D1#5.2 R1#7.2
Board_1-Net-(D2-K): D2#7.1 R2#8.1
Board_1-Net-(D3-A): D3#3.2 R3#2.2
Board_1-Net-(D4-A): D4#5.2 R4#2.2
Board_1-Net-(D5-A): D5#8.2 R5#10.2
Board_1-Net-(D6-A): D6#10.2 R6#5.2
Board_1-Net-(D7-A): D7.2 R7#7.2
Board_1-Net-(D8-A): D8#10.2 R10#5.2
Board_1-Net-(D9-A): D9#7.2 R11#6.2
Board_1-Net-(D10-A): D10#3.2 R12#5.2
Board_1-Net-(D11-A): D11#5.2 R13#10.2
Board_1-Net-(JP1-B): JP1#2.2 U1#5.18
Board_1-Net-(U1-PD0): R2#8.2 U1#5.8
Board_1-unconnected-(U1-PA1-Pad5): U1#5.5
Board_1-unconnected-(U1-PA2-Pad6): U1#5.6
Board_1-VCC: C3#9.1 D2#7.2 J1#6.1 J4#6.1 J5#9.1 R1#7.1 R3#2.1 R4#2.1 R5#10.1 R6#5.1 R7#7.1 R8#3.1 R9#8.1 R10#5.1 R11#6.1 R12#5.1 R13#10.1 U1#5.9
Board_2-/blue gondeln left: D4#10.1 U1#6.14
Board_2-/blue gondeln right: D3#10.1 U1#6.15
Board_2-/blue_front: D5#5.1 J1#4.8 J4#7.8 U1#6.13
Board_2-/buzzer: BZ1#6.1 J1#4.3 J4#7.3 U1#6.10
Board_2-/GPIO1: J3.2 J5#6.5 JP1#9.1
Board_2-/GPIO2: J3.1 J5#6.6
Board_2-/LED dish bottom l: D10#9.1 J1#4.5 J4#7.5 U1#6.1
Board_2-/LED dish bottom r: D11#7.1 J1#4.7 J4#7.7 U1#6.2
Board_2-/LED dish top left: D8#3.1 J1#4.4 J4#7.4 U1#6.19
Board_2-/LED dish top right: D9#5.1 J1#4.6 J4#7.6 U1#6.20
Board_2-/red_gondeln_left: D6.1 U1#6.16
Board_2-/red_gondeln_right: D7#9.1 U1#6.17
Board_2-/SCL: J5#6.4 U1#6.12
Board_2-/SDA: J5#6.3 U1#6.11
Board_2-/sw1: C1#6.1 R9.2 SW1#8.1 U1#6.4
Board_2-/sw2: C2.1 R8#8.2 SW2#3.1 U1#6.3
Board_2-GND: BZ1#6.2 C1#6.2 C2.2 C3#6.2 D1#7.1 J1#4.2 J4#7.2 J5#6.2 SW1#8.2 SW2#3.2 U1#6.7
Board_2-Net-(D1-A): D1#7.2 R1.2
Board_2-Net-(D2-K): D2.1 R2#7.1
Board_2-Net-(D3-A): D3#10.2 R3#5.2
Board_2-Net-(D4-A): D4#10.2 R4#6.2
Board_2-Net-(D5-A): D5#5.2 R5#6.2
Board_2-Net-(D6-A): D6.2 R6#9.2
Board_2-Net-(D7-A): D7#9.2 R7#8.2
Board_2-Net-(D8-A): D8#3.2 R10#7.2
Board_2-Net-(D9-A): D9#5.2 R11#10.2
Board_2-Net-(D10-A): D10#9.2 R12.2
Board_2-Net-(D11-A): D11#7.2 R13#2.2
Board_2-Net-(JP1-B): JP1#9.2 U1#6.18
Board_2-Net-(U1-PD0): R2#7.2 U1#6.8
Board_2-unconnected-(U1-PA1-Pad5): U1#6.5
Board_2-unconnected-(U1-PA2-Pad6): U1#6.6
Board_2-VCC: C3#6.1 D2.2 J1#4.1 J4#7.1 J5#6.1 R1.1 R3#5.1 R4#6.1 R5#6.1 R6#9.1 R7#8.1 R8#8.1 R9.1 R10#7.1 R11#10.1 R12.1 R13#2.1 U1#6.9
Board_3-/blue gondeln left: D4#2.1 U1#3.14
Board_3-/blue gondeln right: D3#7.1 U1#3.15
Board_3-/blue_front: D5#6.1 J1#2.8 J4#5.8 U1#3.13
Board_3-/buzzer: BZ1#7.1 J1#2.3 J4#5.3 U1#3.10
Board_3-/GPIO1: J3#2.2 J5#4.5 JP1#10.1
Board_3-/GPIO2: J3#2.1 J5#4.6
Board_3-/LED dish bottom l: D10#4.1 J1#2.5 J4#5.5 U1#3.1
Board_3-/LED dish bottom r: D11#4.1 J1#2.7 J4#5.7 U1#3.2
Board_3-/LED dish top left: D8#4.1 J1#2.4 J4#5.4 U1#3.19
Board_3-/LED dish top right: D9#9.1 J1#2.6 J4#5.6 U1#3.20
Board_3-/red_gondeln_left: D6#5.1 U1#3.16
Board_3-/red_gondeln_right: D7#5.1 U1#3.17
Board_3-/SCL: J5#4.4 U1#3.12
Board_3-/SDA: J5#4.3 U1#3.11
Board_3-/sw1: C1#4.1 R9#5.2 SW1#2.1 U1#3.4
